# KiCad board arena_12-12_v8_ni.kicad_pcb
title: 12-12 NI G4.1 Arena Modular LED Display; date: 2025-08-06; rev: v8.4; company: IORodeo for Reiserlab @ Janelia; note: https://reiserlab.github.io/Modular-LED-Display/
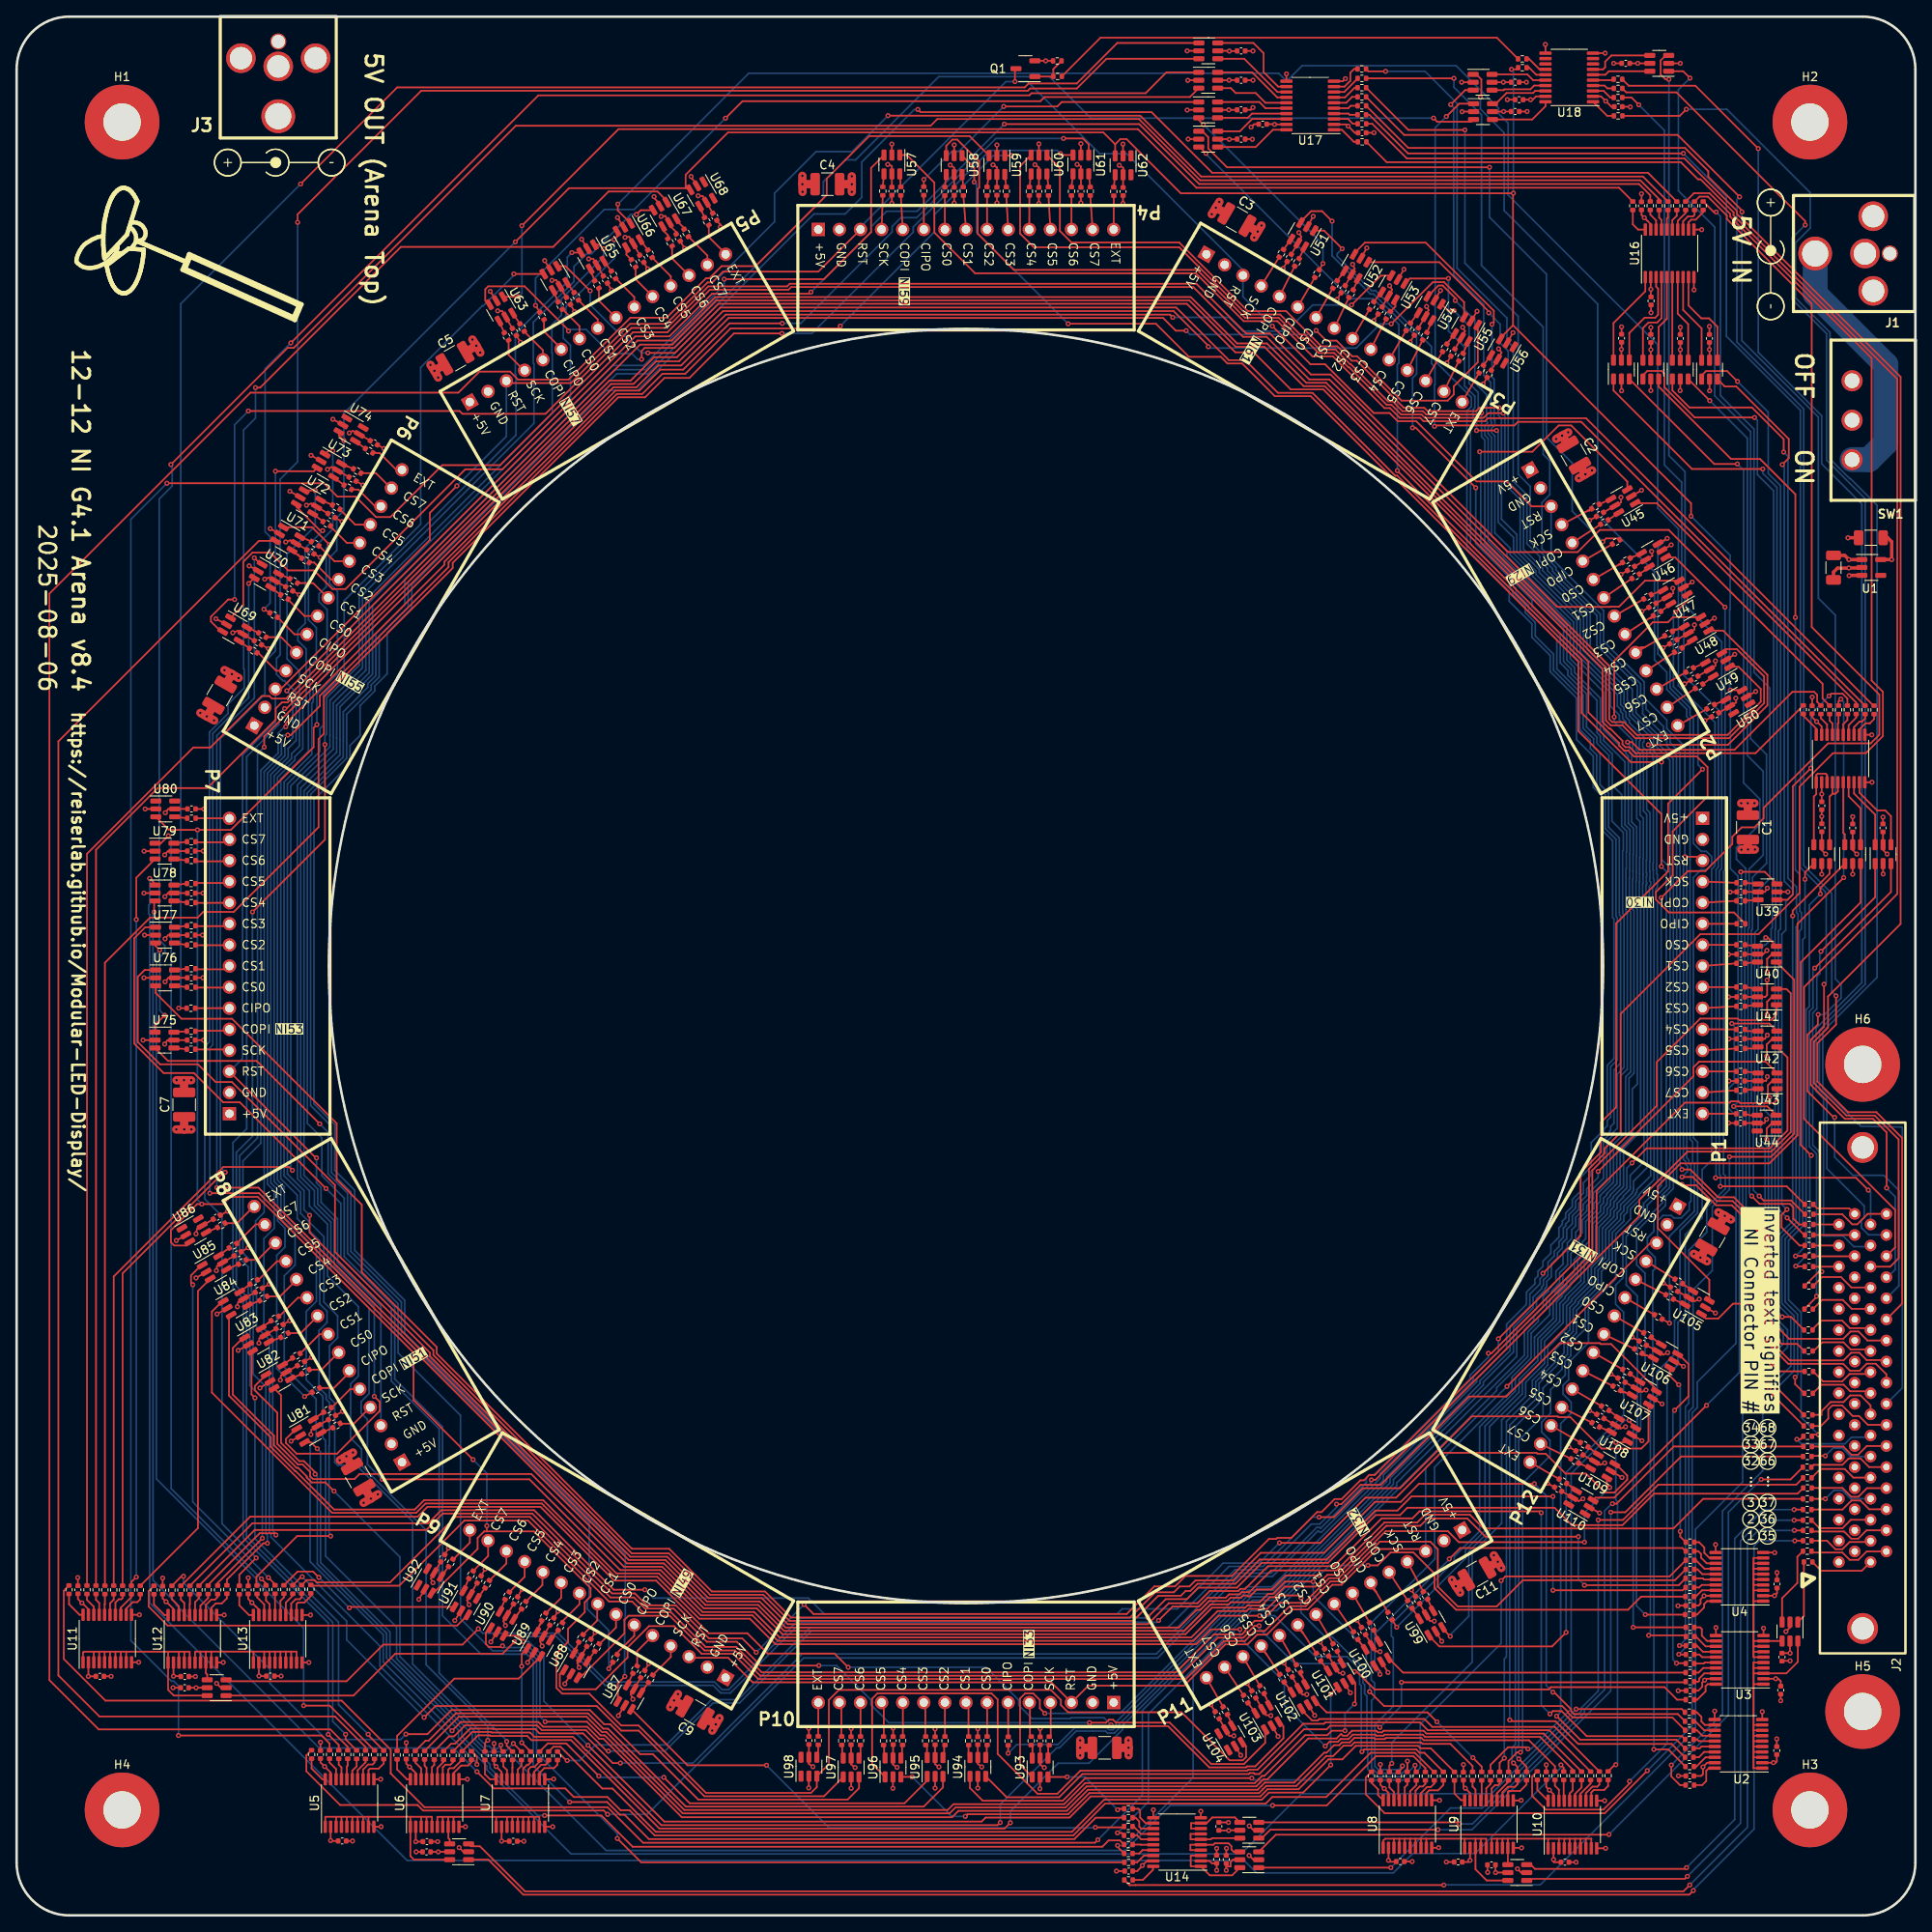
[diagram p0: board, top side]
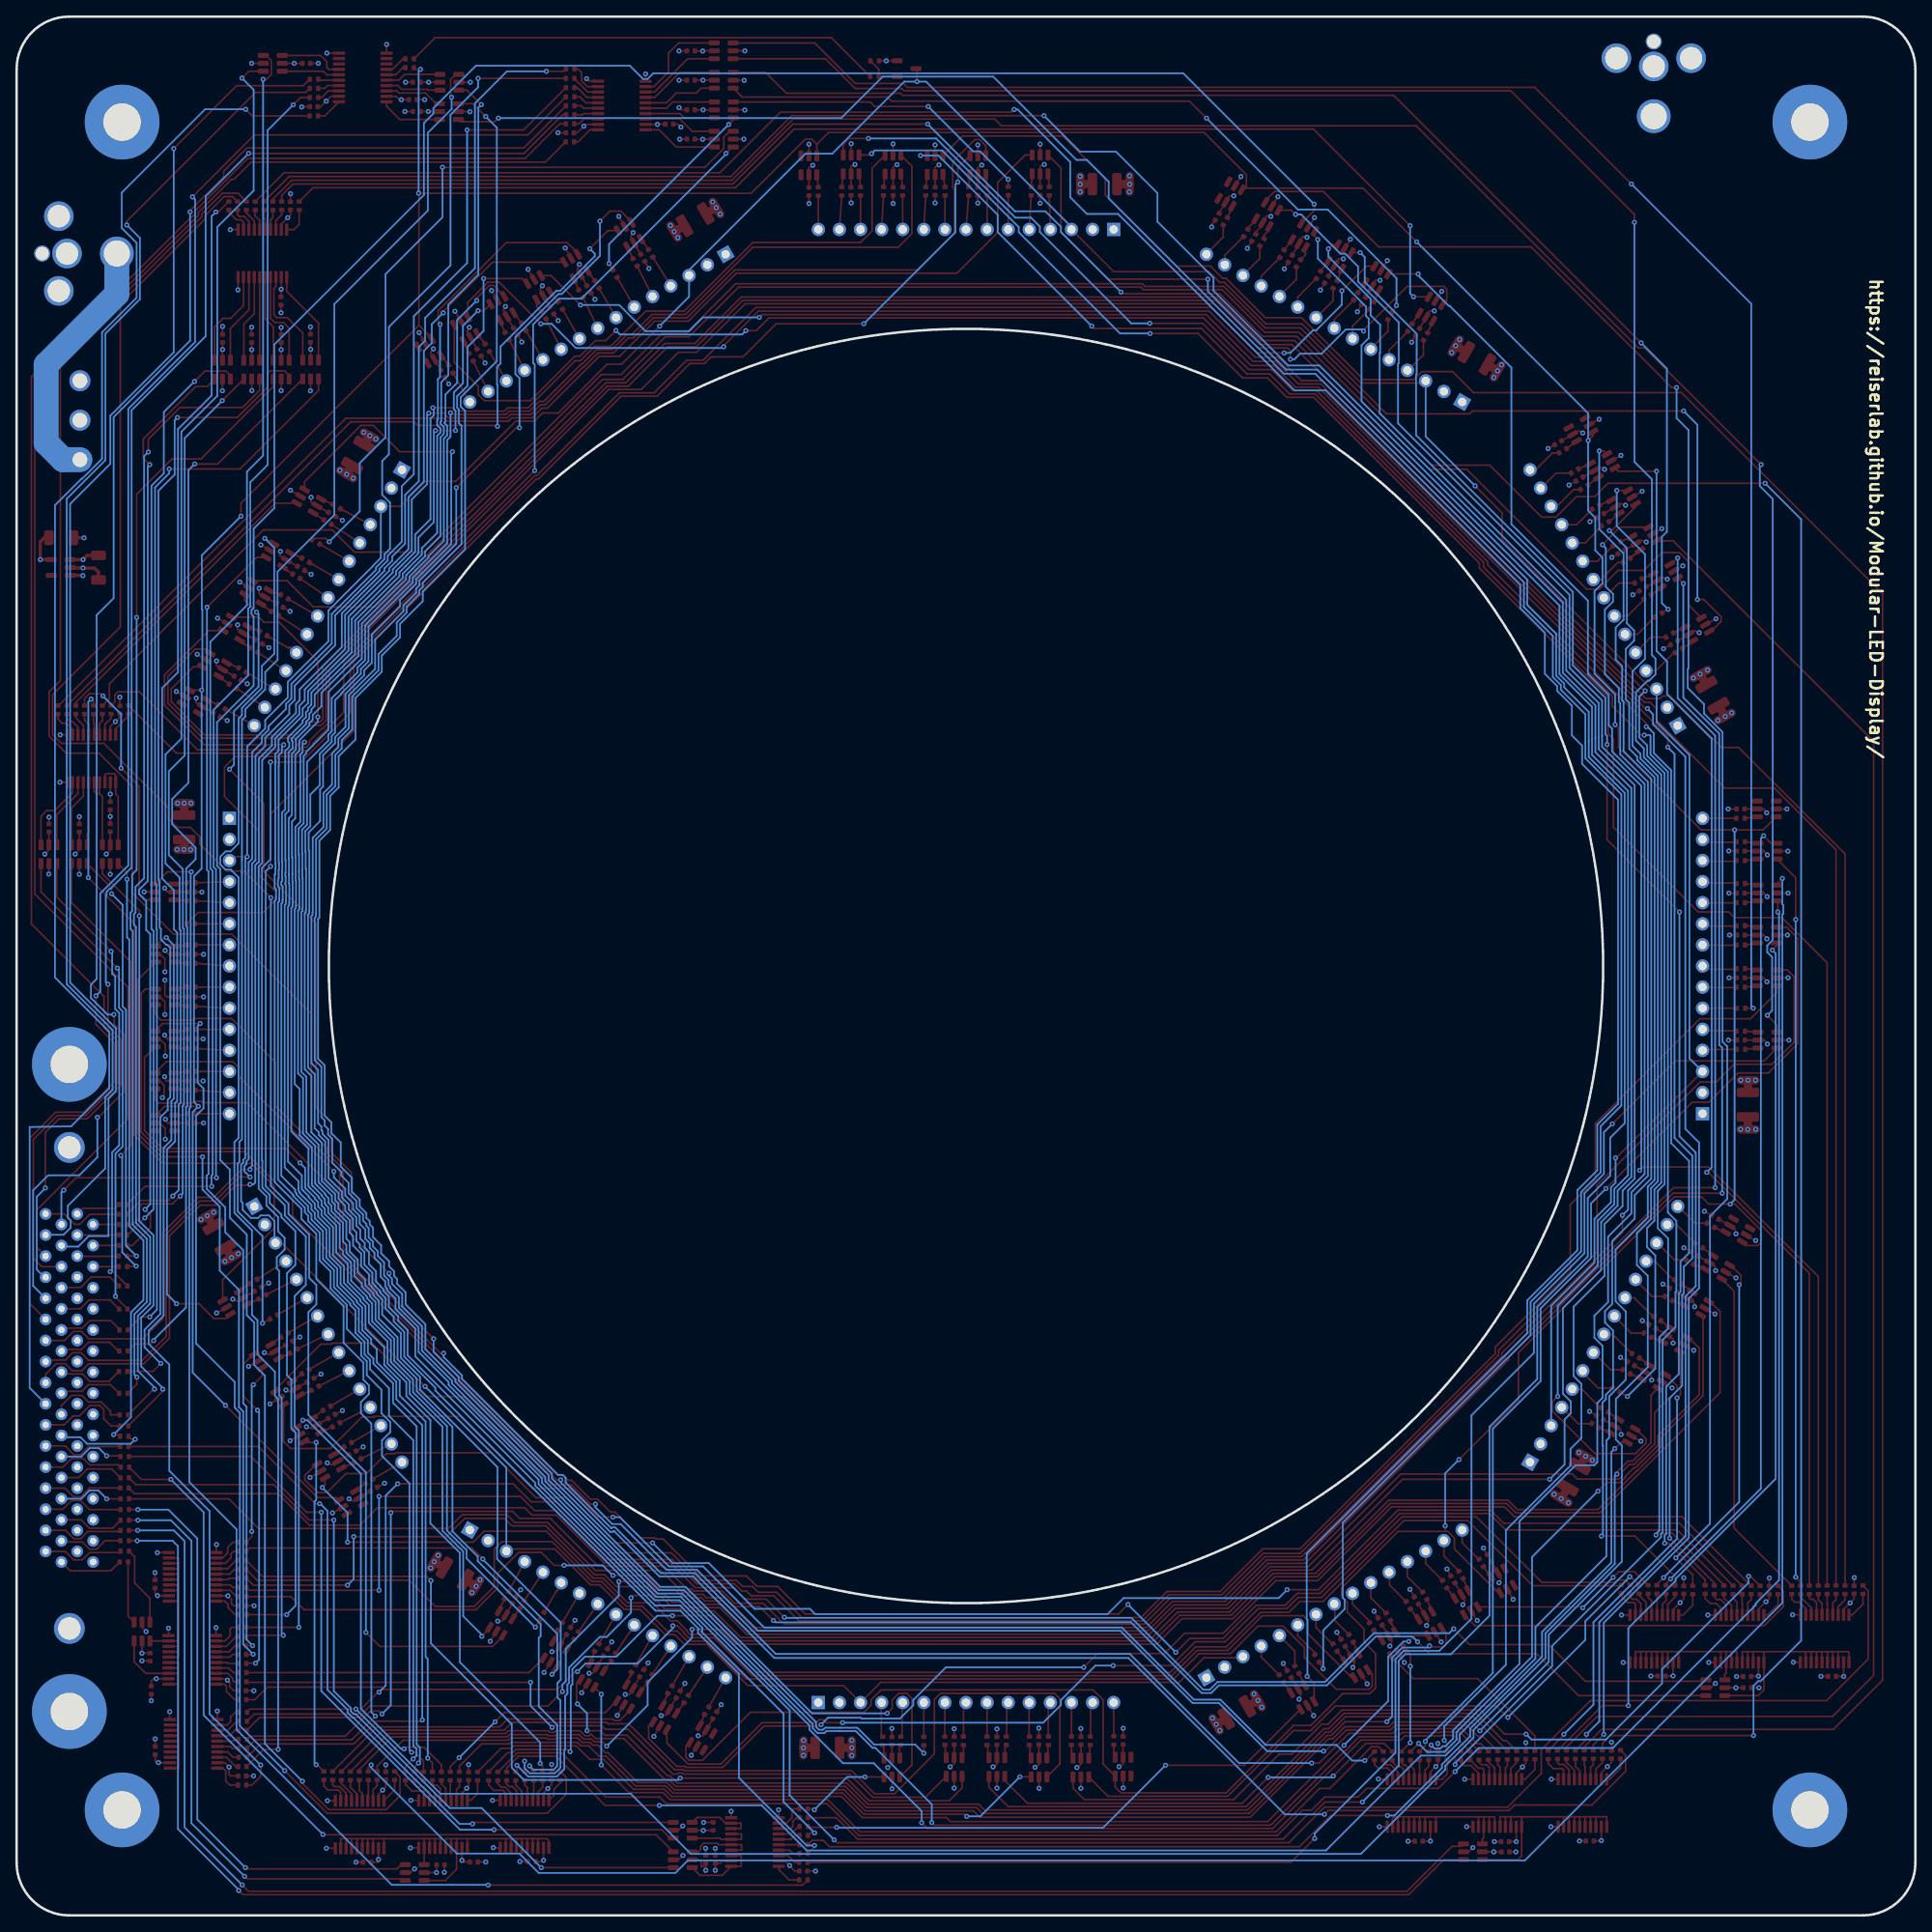
[diagram p1: board, bottom side, seen from below]

Outline 228.6 x 228.6 mm; copper layers: Top, In1.Cu (plane), In2.Cu (plane), In3.Cu (plane), In4.Cu (plane), Bottom. Coordinates in mm from the lower left corner of the outline.
Outline path: circle c114.3,114.3 r76.71 ; 0,222.25 0,6.35 arc(1.86,1.86) 6.35,0 222.25,0 arc(226.74,1.86) 228.6,6.35 228.6,222.25 arc(226.74,226.74) 222.25,228.6 6.35,228.6 arc(1.86,226.74) 0,222.25
Stack: Top 0.035mm / dielectric 0.1mm FR4 er 4.5 / In1.Cu 0.035mm / dielectric 0.535mm FR4 er 4.5 / In2.Cu 0.035mm / dielectric 0.1mm FR4 er 4.5 / In3.Cu 0.035mm / dielectric 0.535mm FR4 er 4.5 / In4.Cu 0.035mm / dielectric 0.1mm FR4 er 4.5 / Bottom 0.035mm

## Placement (name value [footprint] x y rotation side)
C1  100uF  [C_1210_3225Metric]  208.43 130.99 270 top
C2  100uF  [C_1210_3225Metric]  187.47 175.82 300 top
C3  100uF  [C_1210_3225Metric]  146.91 204.16 330 top
C4  100uF  [C_1210_3225Metric]  97.61 208.43 0 top
C5  100uF  [C_1210_3225Metric]  52.78 187.47 30 top
C6  100uF  [C_1210_3225Metric]  24.44 146.91 60 top
C7  100uF  [C_1210_3225Metric]  20.17 97.61 90 top
C8  100uF  [C_1210_3225Metric]  41.13 52.78 120 top
C9  100uF  [C_1210_3225Metric]  81.69 24.44 150 top
C10  100uF  [C_1210_3225Metric]  130.99 20.17 180 top
C11  100uF  [C_1210_3225Metric]  175.82 41.13 210 top
C12  100uF  [C_1210_3225Metric]  204.16 81.69 240 top
C13  10uF  [C_1206_3216Metric]  218.74 162.26 270 top
C14  10uF  [C_1206_3216Metric]  223.24 165.86 180 top
C15  0.1uF  [C_0402_1005Metric]  212.54 31.09 270 top
C16  0.1uF  [C_0402_1005Metric]  49.36 7.65 180 top
C17  0.1uF  [C_0402_1005Metric]  177.56 6.08 180 top
C18  0.1uF  [C_0402_1005Metric]  20.23 27.41 180 top
C19  0.1uF  [C_0402_1005Metric]  145.63 6.74 90 top
C20  0.1uF  [C_0402_1005Metric]  144.75 10.72 90 top
C21  0.1uF  [C_0402_1005Metric]  217.33 130.95 90 top
C22  0.1uF  [C_0402_1005Metric]  221.05 130.92 90 top
C23  0.1uF  [C_0402_1005Metric]  224.7 130.93 90 top
C24  0.1uF  [C_0402_1005Metric]  193.23 189.88 90 top
C25  0.1uF  [C_0402_1005Metric]  196.75 189.85 90 top
C26  0.1uF  [C_0402_1005Metric]  200.3 189.85 90 top
C27  0.1uF  [C_0402_1005Metric]  203.81 189.85 90 top
C28  0.1uF  [C_0402_1005Metric]  147.43 213.85 0 top
C29  0.1uF  [C_0402_1005Metric]  147.43 220.94 0 top
C30  0.1uF  [C_0402_1005Metric]  147.43 217.38 0 top
C31  0.1uF  [C_0402_1005Metric]  147.43 224.47 0 top
C32  0.1uF  [C_0402_1005Metric]  180.42 217.18 0 top
C33  0.1uF  [C_0402_1005Metric]  180.42 220.7 0 top
C34  0.1uF  [C_0402_1005Metric]  193.73 222.98 180 top
C35  0.1uF  [C_0402_1005Metric]  207.58 123.22 180 top
C36  0.1uF  [C_0402_1005Metric]  207.57 115.72 180 top
C37  0.1uF  [C_0402_1005Metric]  207.58 110.58 180 top
C38  0.1uF  [C_0402_1005Metric]  207.56 105.53 180 top
C39  0.1uF  [C_0402_1005Metric]  207.57 100.46 180 top
C40  0.1uF  [C_0402_1005Metric]  207.54 95.39 180 top
C41  0.1uF  [C_0402_1005Metric]  190.63 168.67 210 top
C42  0.1uF  [C_0402_1005Metric]  194.36 162.16 210 top
C43  0.1uF  [C_0402_1005Metric]  196.94 157.72 210 top
C44  0.1uF  [C_0402_1005Metric]  199.45 153.34 210 top
C45  0.1uF  [C_0402_1005Metric]  201.99 148.95 210 top
C46  0.1uF  [C_0402_1005Metric]  204.5 144.54 210 top
C47  0.1uF  [C_0402_1005Metric]  153.22 199.55 240 top
C48  0.1uF  [C_0402_1005Metric]  159.71 195.78 240 top
C49  0.1uF  [C_0402_1005Metric]  164.16 193.22 240 top
C50  0.1uF  [C_0402_1005Metric]  168.53 190.68 240 top
C51  0.1uF  [C_0402_1005Metric]  172.92 188.15 240 top
C52  0.1uF  [C_0402_1005Metric]  177.3 185.59 240 top
C53  0.1uF  [C_0402_1005Metric]  105.38 207.59 270 top
C54  0.1uF  [C_0402_1005Metric]  112.88 207.57 270 top
C55  0.1uF  [C_0402_1005Metric]  118.02 207.58 270 top
C56  0.1uF  [C_0402_1005Metric]  123.07 207.56 270 top
C57  0.1uF  [C_0402_1005Metric]  128.14 207.57 270 top
C58  0.1uF  [C_0402_1005Metric]  133.21 207.54 270 top
C59  0.1uF  [C_0402_1005Metric]  59.93 190.63 300 top
C60  0.1uF  [C_0402_1005Metric]  66.44 194.36 300 top
C61  0.1uF  [C_0402_1005Metric]  70.88 196.94 300 top
C62  0.1uF  [C_0402_1005Metric]  75.26 199.45 300 top
C63  0.1uF  [C_0402_1005Metric]  79.65 201.99 300 top
C64  0.1uF  [C_0402_1005Metric]  84.06 204.5 300 top
C65  0.1uF  [C_0402_1005Metric]  29.05 153.22 330 top
C66  0.1uF  [C_0402_1005Metric]  32.82 159.71 330 top
C67  0.1uF  [C_0402_1005Metric]  35.38 164.16 330 top
C68  0.1uF  [C_0402_1005Metric]  37.92 168.53 330 top
C69  0.1uF  [C_0402_1005Metric]  40.45 172.92 330 top
C70  0.1uF  [C_0402_1005Metric]  43.01 177.3 330 top
C71  0.1uF  [C_0402_1005Metric]  21.02 105.38 0 top
C72  0.1uF  [C_0402_1005Metric]  21.03 112.88 0 top
C73  0.1uF  [C_0402_1005Metric]  21.02 118.02 0 top
C74  0.1uF  [C_0402_1005Metric]  21.04 123.07 0 top
C75  0.1uF  [C_0402_1005Metric]  21.03 128.14 0 top
C76  0.1uF  [C_0402_1005Metric]  21.06 133.21 0 top
C77  0.1uF  [C_0402_1005Metric]  37.97 59.93 30 top
C78  0.1uF  [C_0402_1005Metric]  34.24 66.44 30 top
C79  0.1uF  [C_0402_1005Metric]  31.66 70.88 30 top
C80  0.1uF  [C_0402_1005Metric]  29.15 75.27 30 top
C81  0.1uF  [C_0402_1005Metric]  26.61 79.65 30 top
C82  0.1uF  [C_0402_1005Metric]  24.1 84.06 30 top
C83  0.1uF  [C_0402_1005Metric]  75.38 29.05 60 top
C84  0.1uF  [C_0402_1005Metric]  68.89 32.82 60 top
C85  0.1uF  [C_0402_1005Metric]  64.44 35.38 60 top
C86  0.1uF  [C_0402_1005Metric]  60.07 37.92 60 top
C87  0.1uF  [C_0402_1005Metric]  55.68 40.45 60 top
C88  0.1uF  [C_0402_1005Metric]  51.3 43.01 60 top
C89  0.1uF  [C_0402_1005Metric]  123.22 21.02 90 top
C90  0.1uF  [C_0402_1005Metric]  115.72 21.03 90 top
C91  0.1uF  [C_0402_1005Metric]  110.58 21.02 90 top
C92  0.1uF  [C_0402_1005Metric]  105.53 21.04 90 top
C93  0.1uF  [C_0402_1005Metric]  100.46 21.03 90 top
C94  0.1uF  [C_0402_1005Metric]  95.39 21.06 90 top
C95  0.1uF  [C_0402_1005Metric]  168.67 37.97 120 top
C96  0.1uF  [C_0402_1005Metric]  162.16 34.24 120 top
C97  0.1uF  [C_0402_1005Metric]  157.72 31.66 120 top
C98  0.1uF  [C_0402_1005Metric]  153.34 29.15 120 top
C99  0.1uF  [C_0402_1005Metric]  148.95 26.61 120 top
C100  0.1uF  [C_0402_1005Metric]  144.54 24.1 120 top
C101  0.1uF  [C_0402_1005Metric]  199.55 75.38 150 top
C102  0.1uF  [C_0402_1005Metric]  195.78 68.89 150 top
C103  0.1uF  [C_0402_1005Metric]  193.22 64.44 150 top
C104  0.1uF  [C_0402_1005Metric]  190.68 60.07 150 top
C105  0.1uF  [C_0402_1005Metric]  188.15 55.68 150 top
C106  0.1uF  [C_0402_1005Metric]  185.59 51.3 150 top
C107  0.1uF  [C_0402_1005Metric]  211.92 19.85 90 top
C108  0.1uF  [C_0402_1005Metric]  201.44 16.79 180 top
C109  0.1uF  [C_0402_1005Metric]  212.39 27.12 270 top
C110  0.1uF  [C_0402_1005Metric]  201.48 27.05 180 top
C111  0.1uF  [C_0402_1005Metric]  211.94 39.9 90 top
C112  0.1uF  [C_0402_1005Metric]  201.44 37.29 180 top
C113  0.1uF  [C_0402_1005Metric]  39.19 8.96 0 top
C114  0.1uF  [C_0402_1005Metric]  36.58 19.37 90 top
C115  0.1uF  [C_0402_1005Metric]  49.39 8.88 0 top
C116  0.1uF  [C_0402_1005Metric]  46.91 19.3 90 top
C117  0.1uF  [C_0402_1005Metric]  59.79 8.93 0 top
C118  0.1uF  [C_0402_1005Metric]  57.48 19.25 90 top
C119  0.1uF  [C_0402_1005Metric]  166.58 6.48 0 top
C120  0.1uF  [C_0402_1005Metric]  164.19 16.76 90 top
C121  0.1uF  [C_0402_1005Metric]  173.56 6.43 180 top
C122  0.1uF  [C_0402_1005Metric]  174.19 16.76 90 top
C123  0.1uF  [C_0402_1005Metric]  186.41 6.41 0 top
C124  0.1uF  [C_0402_1005Metric]  184.16 16.8 90 top
C125  0.1uF  [C_0402_1005Metric]  10.03 28.78 0 top
C126  0.1uF  [C_0402_1005Metric]  7.38 39.2 90 top
C127  0.1uF  [C_0402_1005Metric]  20.25 28.76 0 top
C128  0.1uF  [C_0402_1005Metric]  17.58 39.16 90 top
C129  0.1uF  [C_0402_1005Metric]  30.56 28.81 0 top
C130  0.1uF  [C_0402_1005Metric]  27.88 39.19 90 top
C131  0.1uF  [C_0402_1005Metric]  144.47 6.75 90 top
C132  0.1uF  [C_0402_1005Metric]  133.89 5.34 180 top
C133  0.1uF  [C_0402_1005Metric]  217.32 133.6 270 top
C134  0.1uF  [C_0402_1005Metric]  216.17 145.15 90 top
C135  0.1uF  [C_0402_1005Metric]  196.77 194.37 270 top
C136  0.1uF  [C_0402_1005Metric]  195.63 205.82 90 top
C137  0.1uF  [C_0402_1005Metric]  161.99 214.62 0 top
C138  0.1uF  [C_0402_1005Metric]  150.02 215.65 180 top
C139  0.1uF  [C_0402_1005Metric]  192.82 217.75 0 top
C140  0.1uF  [C_0402_1005Metric]  180.9 218.6 180 top
H1  MountingHole_Pad  [MountingHole_4.5mm_Pad]  12.7 215.9 0 top  (not fitted)
H2  MountingHole_Pad  [MountingHole_4.5mm_Pad]  215.9 215.9 0 top  (not fitted)
H3  MountingHole_Pad  [MountingHole_4.5mm_Pad]  215.9 12.7 0 top  (not fitted)
H4  MountingHole_Pad  [MountingHole_4.5mm_Pad]  12.7 12.7 0 top  (not fitted)
H5  MountingHole_Pad  [MountingHole_4.5mm_Pad]  222.25 24.55 0 top  (not fitted)
H6  MountingHole_Pad  [MountingHole_4.5mm_Pad]  222.25 102.46 0 top  (not fitted)
J1  Barrel_Jack  [DCJACK_2PIN_HIGHCURRENT]  228.52 200.08 270 top
J2  NI_TE_68pos  [TE_CONN_DSUB_VERT_68]  222.25 63.5 90 top
J3  Barrel_Jack  [DCJACK_2PIN_HIGHCURRENT]  31.5 228.6 0 top
P1  CONN15  [HEADER_TOP]  202.97 114.3 270 top
P2  CONN15  [HEADER_TOP]  191.09 158.64 300 top
P3  CONN15  [HEADER_TOP]  158.64 191.09 330 top
P4  CONN15  [HEADER_TOP]  114.3 202.97 0 top
P5  CONN15  [HEADER_TOP]  69.96 191.09 30 top
P6  CONN15  [HEADER_TOP]  37.51 158.64 60 top
P7  CONN15  [HEADER_TOP]  25.63 114.3 90 top
P8  CONN15  [HEADER_TOP]  37.51 69.96 120 top
P9  CONN15  [HEADER_TOP]  69.96 37.51 150 top
P10  CONN15  [HEADER_TOP]  114.3 25.63 180 top
P11  CONN15  [HEADER_TOP]  158.64 37.51 210 top
P12  CONN15  [HEADER_TOP]  191.09 69.96 240 top
Q1  MOSFET_NCHAN  [SOT-23-3]  121.45 222.33 180 top
R1  33  [R_0402_1005Metric]  215.69 42.55 180 top
R2  33  [R_0402_1005Metric]  215.58 43.85 180 top
R3  33  [R_0402_1005Metric]  215.59 45.11 180 top
R4  33  [R_0402_1005Metric]  215.59 46.34 180 top
R5  33  [R_0402_1005Metric]  215.58 47.58 180 top
R6  33  [R_0402_1005Metric]  215.58 48.86 180 top
R7  33  [R_0402_1005Metric]  215.58 50.15 180 top
R8  33  [R_0402_1005Metric]  215.61 51.46 180 top
R9  33  [R_0402_1005Metric]  215.59 52.68 180 top
R10  33  [R_0402_1005Metric]  215.56 53.96 180 top
R11  33  [R_0402_1005Metric]  215.59 55.25 180 top
R12  33  [R_0402_1005Metric]  215.63 56.45 180 top
R13  33  [R_0402_1005Metric]  215.63 57.68 0 top
R14  33  [R_0402_1005Metric]  215.66 58.92 180 top
R15  33  [R_0402_1005Metric]  215.69 60.26 180 top
R16  33  [R_0402_1005Metric]  215.74 62.85 180 top
R17  33  [R_0402_1005Metric]  215.78 65.49 180 top
R18  33  [R_0402_1005Metric]  215.73 67.95 180 top
R19  33  [R_0402_1005Metric]  215.71 70.48 180 top
R20  33  [R_0402_1005Metric]  215.75 72.99 180 top
R21  33  [R_0402_1005Metric]  215.78 75.78 180 top
R22  33  [R_0402_1005Metric]  215.81 84.41 180 top
R23  33  [R_0402_1005Metric]  215.79 78.11 180 top
R24  33  [R_0402_1005Metric]  215.81 79.39 180 top
R25  33  [R_0402_1005Metric]  215.79 80.65 180 top
R26  33  [R_0402_1005Metric]  215.81 81.92 180 top
R27  33  [R_0402_1005Metric]  215.8 83.18 180 top
R28  33  [R_0402_1005Metric]  215.79 85.6 180 top
R29  33  [R_0402_1005Metric]  201.44 15.69 0 top
R30  33  [R_0402_1005Metric]  201.43 17.92 0 top
R31  33  [R_0402_1005Metric]  201.37 19.04 0 top
R32  33  [R_0402_1005Metric]  201.38 20.11 0 top
R33  33  [R_0402_1005Metric]  201.38 21.19 0 top
R34  33  [R_0402_1005Metric]  201.38 22.29 0 top
R35  33  [R_0402_1005Metric]  201.38 23.37 0 top
R36  33  [R_0402_1005Metric]  201.37 24.46 0 top
R37  33  [R_0402_1005Metric]  201.46 25.97 0 top
R38  33  [R_0402_1005Metric]  201.45 28.14 0 top
R39  33  [R_0402_1005Metric]  201.45 29.23 0 top
R40  33  [R_0402_1005Metric]  201.46 30.32 0 top
R41  33  [R_0402_1005Metric]  201.48 31.41 0 top
R42  33  [R_0402_1005Metric]  201.49 32.48 0 top
R43  33  [R_0402_1005Metric]  201.49 33.57 0 top
R44  33  [R_0402_1005Metric]  201.46 34.68 0 top
R45  33  [R_0402_1005Metric]  201.39 36.21 0 top
R46  33  [R_0402_1005Metric]  201.43 38.38 0 top
R47  33  [R_0402_1005Metric]  201.44 39.48 0 top
R48  33  [R_0402_1005Metric]  201.44 40.58 0 top
R49  33  [R_0402_1005Metric]  201.46 41.66 0 top
R50  33  [R_0402_1005Metric]  201.48 42.76 0 top
R51  33  [R_0402_1005Metric]  201.46 43.85 0 top
R52  33  [R_0402_1005Metric]  201.46 44.93 0 top
R53  33  [R_0402_1005Metric]  35.51 19.38 270 top
R54  33  [R_0402_1005Metric]  37.68 19.38 270 top
R55  33  [R_0402_1005Metric]  38.78 19.37 270 top
R56  33  [R_0402_1005Metric]  39.86 19.37 270 top
R57  33  [R_0402_1005Metric]  40.94 19.36 270 top
R58  33  [R_0402_1005Metric]  42.01 19.35 270 top
R59  33  [R_0402_1005Metric]  43.09 19.35 270 top
R60  33  [R_0402_1005Metric]  44.2 19.33 270 top
R61  33  [R_0402_1005Metric]  45.81 19.31 270 top
R62  33  [R_0402_1005Metric]  48 19.29 270 top
R63  33  [R_0402_1005Metric]  49.12 19.29 270 top
R64  33  [R_0402_1005Metric]  50.28 19.27 270 top
R65  33  [R_0402_1005Metric]  51.41 19.26 270 top
R66  33  [R_0402_1005Metric]  52.54 19.25 270 top
R67  33  [R_0402_1005Metric]  53.64 19.25 270 top
R68  33  [R_0402_1005Metric]  54.75 19.25 270 top
R69  33  [R_0402_1005Metric]  56.39 19.23 270 top
R70  33  [R_0402_1005Metric]  58.59 19.22 270 top
R71  33  [R_0402_1005Metric]  59.7 19.23 270 top
R72  33  [R_0402_1005Metric]  60.78 19.22 270 top
R73  33  [R_0402_1005Metric]  61.88 19.22 270 top
R74  33  [R_0402_1005Metric]  62.97 19.22 270 top
R75  33  [R_0402_1005Metric]  64.05 19.22 270 top
R76  33  [R_0402_1005Metric]  65.12 19.22 270 top
R77  33  [R_0402_1005Metric]  163.12 16.78 270 top
R78  33  [R_0402_1005Metric]  165.28 16.76 270 top
R79  33  [R_0402_1005Metric]  166.34 16.76 270 top
R80  33  [R_0402_1005Metric]  167.43 16.77 270 top
R81  33  [R_0402_1005Metric]  168.51 16.76 270 top
R82  33  [R_0402_1005Metric]  169.6 16.76 270 top
R83  33  [R_0402_1005Metric]  170.68 16.76 270 top
R84  33  [R_0402_1005Metric]  171.78 16.77 270 top
R85  33  [R_0402_1005Metric]  173.1 16.76 270 top
R86  33  [R_0402_1005Metric]  175.28 16.77 270 top
R87  33  [R_0402_1005Metric]  176.38 16.77 270 top
R88  33  [R_0402_1005Metric]  177.46 16.76 270 top
R89  33  [R_0402_1005Metric]  178.54 16.77 270 top
R90  33  [R_0402_1005Metric]  179.62 16.77 270 top
R91  33  [R_0402_1005Metric]  180.69 16.78 270 top
R92  33  [R_0402_1005Metric]  181.78 16.78 270 top
R93  33  [R_0402_1005Metric]  183.09 16.82 270 top
R94  33  [R_0402_1005Metric]  185.21 16.82 270 top
R95  33  [R_0402_1005Metric]  186.25 16.81 270 top
R96  33  [R_0402_1005Metric]  187.34 16.8 270 top
R97  33  [R_0402_1005Metric]  188.41 16.8 270 top
R98  33  [R_0402_1005Metric]  189.5 16.8 270 top
R99  33  [R_0402_1005Metric]  190.56 16.81 270 top
R100  33  [R_0402_1005Metric]  191.6 16.82 270 top
R101  33  [R_0402_1005Metric]  6.31 39.21 270 top
R102  33  [R_0402_1005Metric]  8.47 39.2 270 top
R103  33  [R_0402_1005Metric]  9.56 39.2 270 top
R104  33  [R_0402_1005Metric]  10.63 39.19 270 top
R105  33  [R_0402_1005Metric]  11.69 39.19 270 top
R106  33  [R_0402_1005Metric]  12.76 39.18 270 top
R107  33  [R_0402_1005Metric]  13.82 39.18 270 top
R108  33  [R_0402_1005Metric]  14.89 39.18 270 top
R109  33  [R_0402_1005Metric]  16.53 39.18 270 top
R110  33  [R_0402_1005Metric]  18.69 39.17 270 top
R111  33  [R_0402_1005Metric]  19.78 39.18 270 top
R112  33  [R_0402_1005Metric]  20.86 39.18 270 top
R113  33  [R_0402_1005Metric]  21.95 39.19 270 top
R114  33  [R_0402_1005Metric]  23.06 39.2 270 top
R115  33  [R_0402_1005Metric]  24.2 39.2 270 top
R116  33  [R_0402_1005Metric]  25.31 39.24 270 top
R117  33  [R_0402_1005Metric]  26.81 39.18 270 top
R118  33  [R_0402_1005Metric]  28.94 39.21 270 top
R119  33  [R_0402_1005Metric]  30.03 39.22 270 top
R120  33  [R_0402_1005Metric]  31.11 39.24 270 top
R121  33  [R_0402_1005Metric]  32.18 39.24 270 top
R122  33  [R_0402_1005Metric]  33.25 39.24 270 top
R123  33  [R_0402_1005Metric]  34.32 39.26 270 top
R124  33  [R_0402_1005Metric]  35.42 39.28 270 top
R125  33  [R_0402_1005Metric]  133.87 4.27 0 top
R126  33  [R_0402_1005Metric]  133.88 6.39 0 top
R127  33  [R_0402_1005Metric]  133.85 7.46 0 top
R128  33  [R_0402_1005Metric]  133.85 8.53 0 top
R129  33  [R_0402_1005Metric]  133.84 9.62 0 top
R130  33  [R_0402_1005Metric]  133.84 10.71 0 top
R131  33  [R_0402_1005Metric]  133.85 11.77 0 top
R132  33  [R_0402_1005Metric]  133.85 12.84 0 top
R133  33  [R_0402_1005Metric]  215.11 145.17 270 top
R134  33  [R_0402_1005Metric]  217.23 145.15 270 top
R135  33  [R_0402_1005Metric]  218.27 145.15 270 top
R136  33  [R_0402_1005Metric]  219.35 145.15 270 top
R137  33  [R_0402_1005Metric]  220.42 145.15 270 top
R138  33  [R_0402_1005Metric]  221.48 145.15 270 top
R139  33  [R_0402_1005Metric]  222.55 145.14 270 top
R140  33  [R_0402_1005Metric]  223.62 145.14 270 top
R141  33  [R_0402_1005Metric]  194.58 205.83 270 top
R142  33  [R_0402_1005Metric]  196.68 205.84 270 top
R143  33  [R_0402_1005Metric]  197.75 205.83 270 top
R144  33  [R_0402_1005Metric]  198.81 205.83 270 top
R145  33  [R_0402_1005Metric]  199.87 205.83 270 top
R146  33  [R_0402_1005Metric]  200.94 205.83 270 top
R147  33  [R_0402_1005Metric]  202.01 205.83 270 top
R148  33  [R_0402_1005Metric]  203.05 205.84 270 top
R149  33  [R_0402_1005Metric]  161.99 213.53 0 top
R150  33  [R_0402_1005Metric]  161.97 215.7 0 top
R151  33  [R_0402_1005Metric]  161.95 216.79 0 top
R152  33  [R_0402_1005Metric]  161.96 217.87 0 top
R153  33  [R_0402_1005Metric]  161.96 218.94 0 top
R154  33  [R_0402_1005Metric]  161.96 220.05 0 top
R155  33  [R_0402_1005Metric]  161.96 221.17 0 top
R156  33  [R_0402_1005Metric]  161.95 222.3 0 top
R157  33  [R_0402_1005Metric]  181.28 222.45 0 top
R158  33  [R_0402_1005Metric]  181.28 223.51 0 top
R159  33  [R_0402_1005Metric]  192.81 216.65 180 top
R160  33  [R_0402_1005Metric]  192.8 218.86 180 top
R161  33  [R_0402_1005Metric]  192.81 219.96 180 top
R162  33  [R_0402_1005Metric]  192.8 221.06 180 top
R163  33  [R_0402_1005Metric]  207.6 124.32 180 top